# Altium PCB ЕРКФ.758725.093Д11_и1_МВВ.PcbDoc (part 3 of 3)
Units mm, origin at the board's own origin, x right, y up, seen from the top; angles counter-clockwise.
Board outline 118.8 x 103.1 mm, 2 copper layers (Top Layer, Bottom Layer), stack 1.571 mm thick; 306 components, 215 nets, 983 pads, 379 vias.
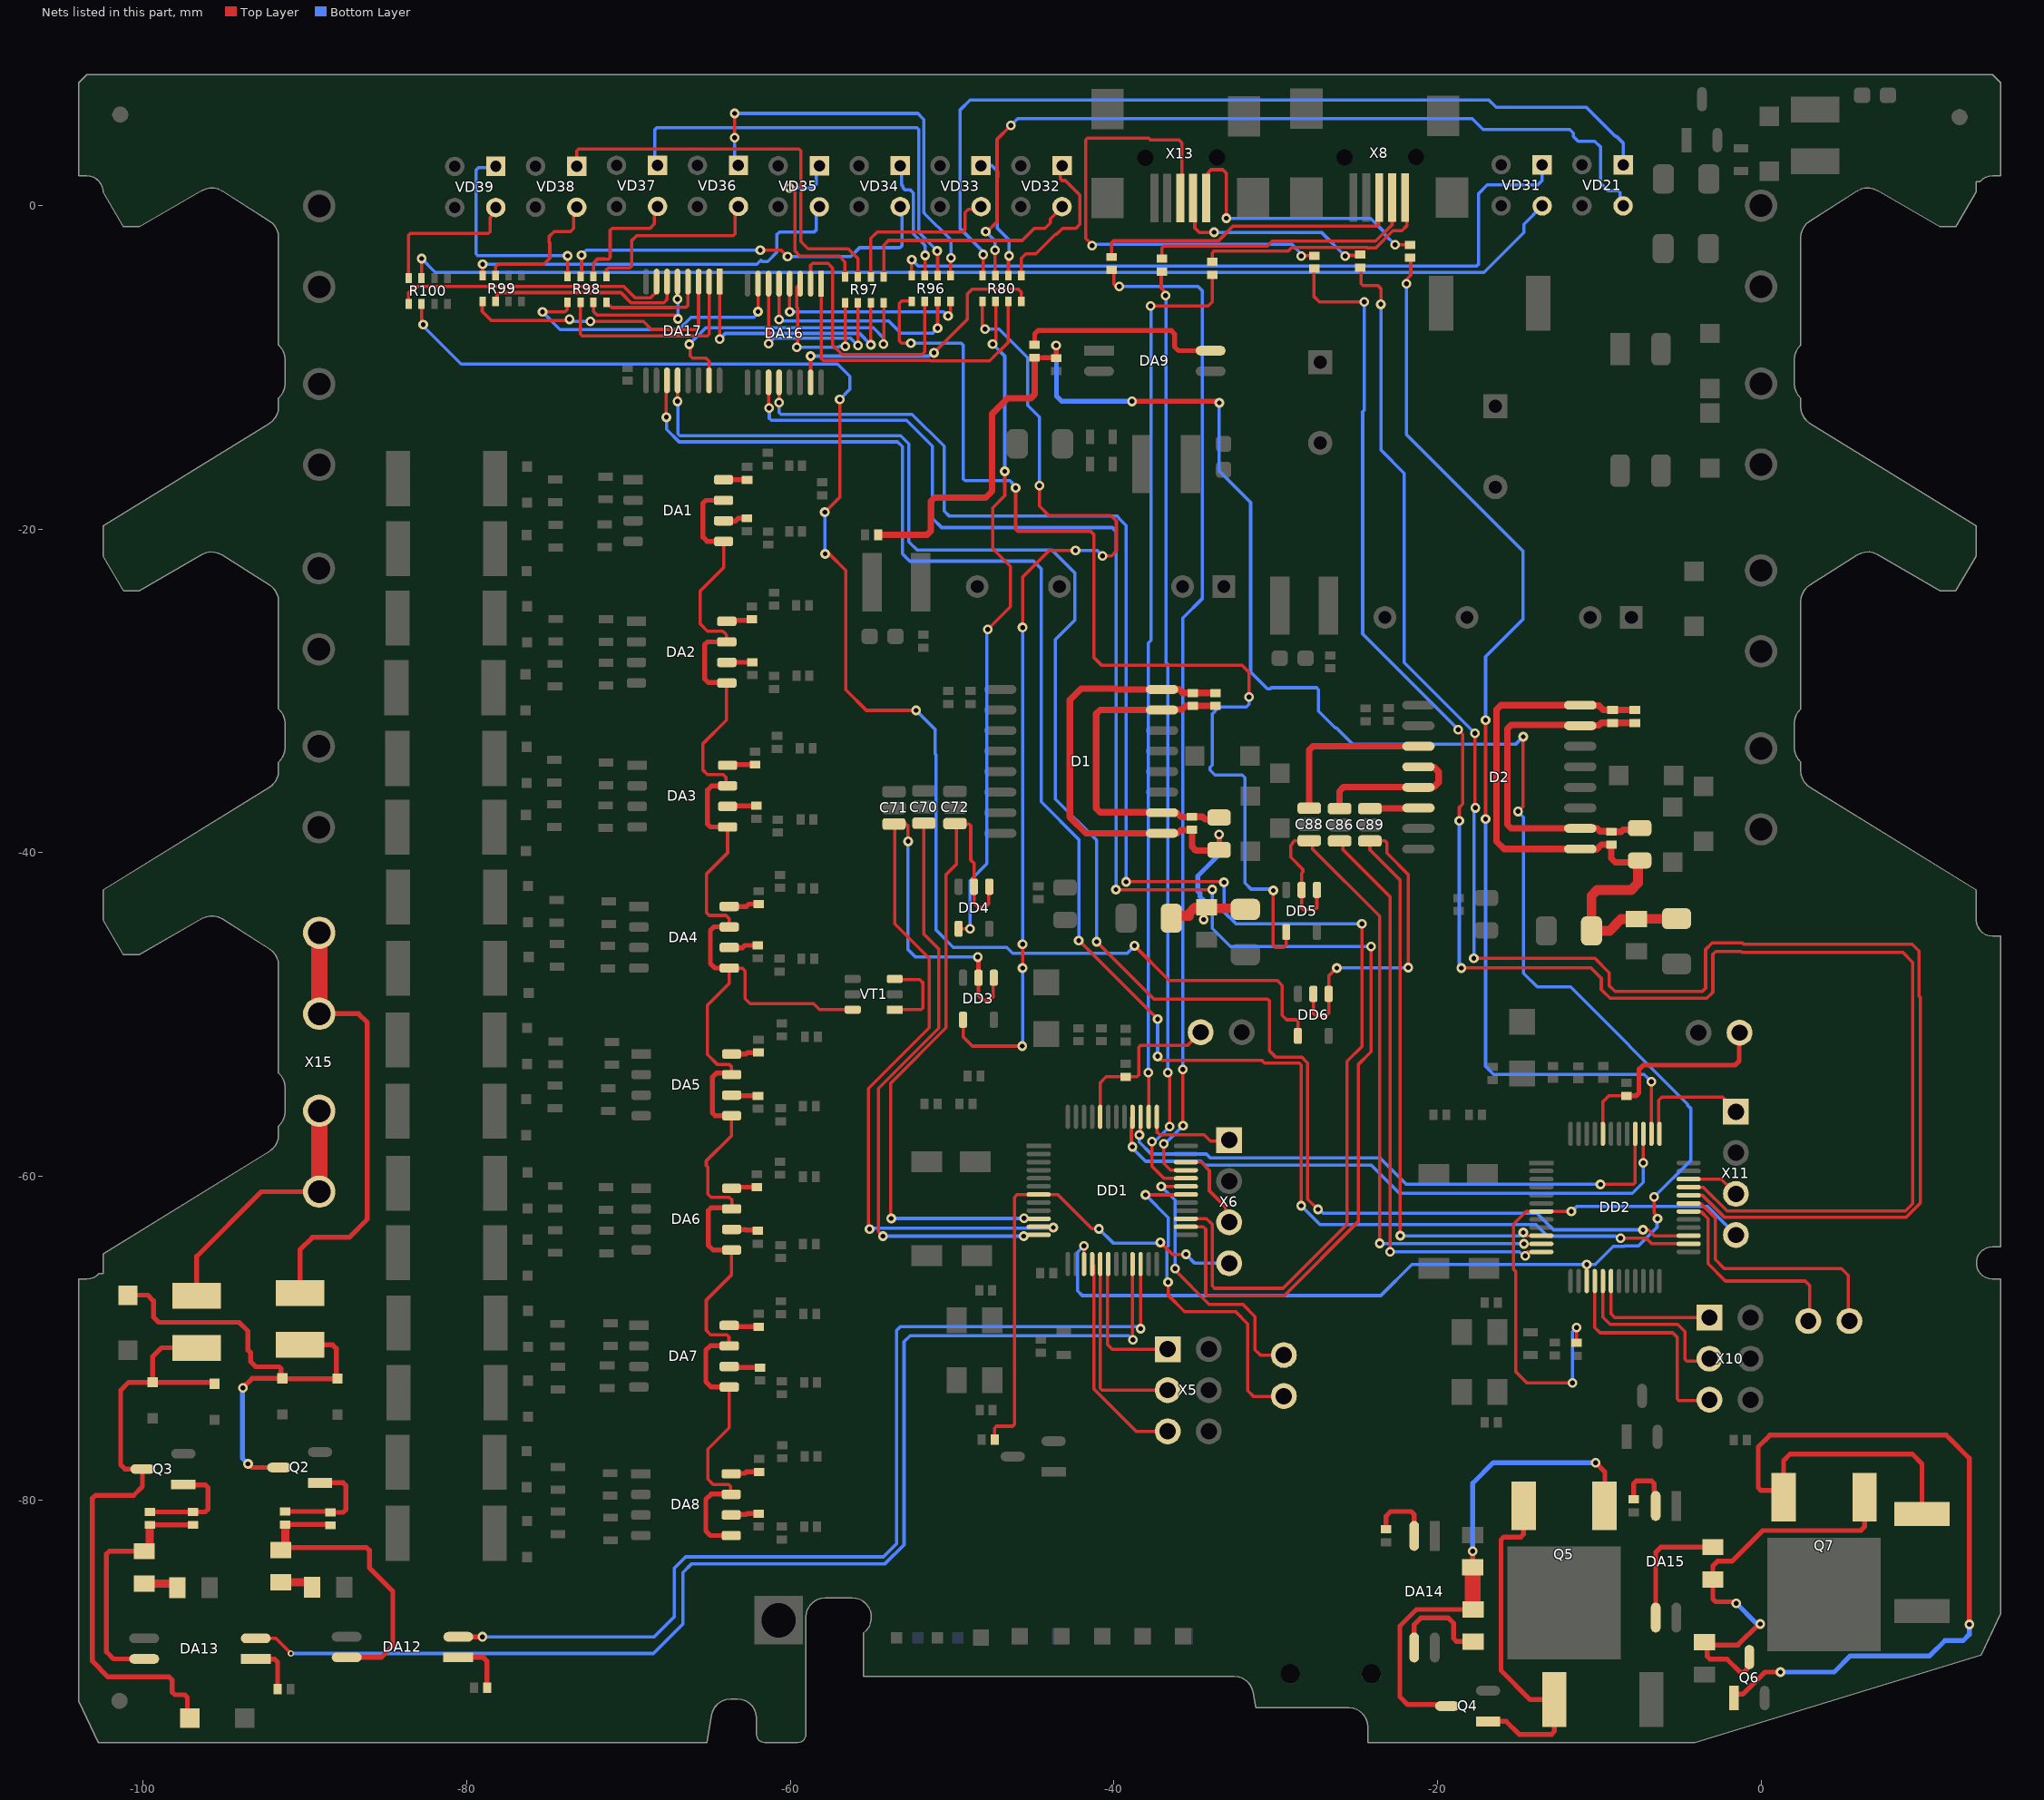
[diagram p3: the nets of this part, all layers, seen from the top]

## Via types
v1: diameter 0.6, hole 0.3, Top Layer to Bottom Layer, 361 vias
v2: diameter 0.8, hole 0.4, Top Layer to Bottom Layer, 12 vias
v3: diameter 1, hole 0.5, Top Layer to Bottom Layer, 5 vias
v4: diameter 0.4, hole 0.2, Top Layer to Bottom Layer, 1 vias

## Nets (pads, with @x,y where several pads share a name; then routed paths per layer and width w, separated by ;. In a path a pad name is that pad's centre, name@x,y a point inside that pad or via, vN(x,y) a via of type N, cw(c..) or ccw(c..) an arc to the next point about the centre after c; other vN are vias at no path point) (continued)
NetC77_2: C77.2 C80.2 C81.1 C82.2 C83.1 C84.2 D1.9 D1.16 R89.2 | length 40.3
  Top Layer w0.3: v1(-34.45,-44.125) -34.45,-43.55 -34.3,-43.4 R89.2@-34.275,-43.375 ; C83.1@-33.5,-39.825 v1(-33.5,-38.875) v1@-33.475,-38.85
  Top Layer w0.4: R89.2@-34.275,-43.375 R89.2@-34.212,-43.437 ; C84.2@-33.725,-30.125 C80.2@-35.125,-30.125 -35.75,-30.125 -35.826,-30.049 -35.975,-29.9 -37.02,-29.9 D1.16@-37.025,-29.905 -39.88,-29.905 -39.935,-29.85 -42.025,-29.85 -42.725,-30.55 -42.725,-37.8 -41.73,-38.795 D1.9@-37.025,-38.795 -37.02,-38.8 -36.075,-38.8 -35.875,-38.6 -35.2,-38.6 C81.1@-35.175,-38.575 -35.175,-39.625 -34.925,-39.875 -33.55,-39.875 C83.1@-33.5,-39.825 ; C82.2@-31.938,-43.437 C82.2@-31.875,-43.5
  Top Layer w0.6: C77.2@-36.45,-44.05 -36.299,-43.899 -35.35,-43.899 -35.35,-43.751 -34.999,-43.4 R89.2@-34.3,-43.4 ; R89.2@-34.212,-43.437 C82.2@-31.938,-43.437
  Bottom Layer w0.3: v1(-34.45,-44.125) -34.45,-42.95 -34.675,-42.725 -34.675,-42.525 -34.825,-42.375 -34.825,-41.45 -33.5,-40.125 v1(-33.5,-38.875)
NetC78_1: C78.1 DA12.4 R82.1 R86.1 | length 19.4
  Top Layer w0.3: R82.1@-91.5,-83.1 -91.35,-82.95 R82.1@-91.225,-82.825 ; R82.1@-91.225,-82.95 -86.201,-82.95 -86.025,-83.126 -86.025,-84.2 -84.575,-85.65 -84.575,-89.025 -85.285,-89.735 DA12.4@-87.425,-89.735 ; R86.1@-91.225,-81.525 -88.475,-81.525 C78.1@-88.425,-81.575
  Top Layer w0.5: R82.1@-91.225,-82.825 R86.1@-91.225,-81.525
NetC78_2: C78.2 Q2.1 R86.2 | length 7
  Top Layer w0.3: R86.2@-91.225,-80.725 -88.475,-80.725 C78.2@-88.425,-80.775 -87.651,-80.775 -87.475,-80.599 -87.475,-79.126 -87.651,-78.95 Q2.1@-89.075,-78.95
NetC79_1: C79.1 DA13.4 R81.1 R87.1 | length 15.4
  Top Layer w0.3: DA13.4@-99.95,-89.835 -101.84,-89.835 -102.275,-89.4 -102.275,-83.351 -102.099,-83.175 R81.1@-99.95,-83.175 R81.1@-99.6,-82.825 ; R87.1@-99.6,-81.55 C79.1@-96.925,-81.55
  Top Layer w0.5: R81.1@-99.6,-82.825 R87.1@-99.6,-81.55
NetC79_2: C79.2 Q3.1 R87.2 | length 6.6
  Top Layer w0.3: R87.2@-99.6,-80.75 C79.2@-96.925,-80.75 -96.176,-80.75 -96,-80.574 -96,-79.251 -96.176,-79.075 -97.5,-79.075 Q3.1@-97.525,-79.05
NetC80_1: C80.1 C81.2 C83.2 C84.1 D1.10 D1.15 | length 21
  Top Layer w0.3: C83.2@-33.6,-37.925 C83.2@-33.5,-37.825
  Top Layer w0.4: -35.525,-37.8 -35.825,-37.8 -35.925,-37.7 -35.95,-37.7 -36.1,-37.55 -37,-37.55 D1.10@-37.025,-37.525 -37.05,-37.5 -40.866,-37.5 -41.1,-37.266 -41.1,-31.409 -40.866,-31.175 D1.15@-37.025,-31.175 -36.996,-31.146 -35.796,-31.146 -35.575,-30.925 C80.1@-35.125,-30.925 C84.1@-33.725,-30.925 ; C81.2@-35.175,-37.775 -34.525,-37.775 -34.375,-37.925 C83.2@-33.6,-37.925
NetC86_2: C86.2 D2.4 D2.5 | length 9.5
  Top Layer w0.4: C86.2@-26.05,-37.275 -26.05,-36.184 -25.816,-35.95 -21.185,-35.95 D2.5@-21.175,-35.96 -21.146,-35.931 -20.206,-35.931 -19.925,-35.651 -19.925,-34.999 -20.206,-34.719 -21.146,-34.719 D2.4@-21.175,-34.69
NetC88_2: C88.2 D2.3 | length 10.4
  Top Layer w0.4: C88.2@-27.925,-37.25 -27.925,-33.654 -27.691,-33.42 D2.3@-21.175,-33.42
NetC89_2: C89.2 D2.6 | length 3
  Top Layer w0.4: C89.2@-24.175,-37.275 -24.152,-37.252 -21.198,-37.252 D2.6@-21.175,-37.23
NetC94_2: C94.2 C95.2 C96.1 C97.2 C98.1 C99.2 D2.9 D2.16 R101.2 | length 39.2
  Top Layer w0.4: C99.2@-7.813,-31.187 C99.2@-7.8,-31.175 C95.2@-9.175,-31.175 -9.75,-31.175 -10.016,-30.909 -11.146,-30.909 D2.16@-11.175,-30.88 -16.071,-30.88 -16.35,-31.159 -16.35,-39.3 -15.88,-39.77 D2.9@-11.175,-39.77 -11.146,-39.799 -10.174,-39.799 -9.875,-39.5 C96.1@-9.25,-39.5 -9.25,-40.35 -9,-40.6 C98.1@-7.625,-40.6 ; R101.2@-7.7,-44.1 R101.2@-7.688,-44.087 ; C97.2@-5.238,-44.087 C97.2@-5.225,-44.075
  Top Layer w0.6: R101.2@-7.7,-44.1 -8.649,-44.1 -9,-44.451 -9,-44.474 -9.351,-44.825 C94.2@-10.475,-44.825 -10.475,-42.651 -10.124,-42.3 -8.026,-42.3 -7.601,-41.875 -7.601,-40.624 C98.1@-7.625,-40.6 ; R101.2@-7.688,-44.087 C97.2@-5.238,-44.087
NetC95_1: C95.1 C96.2 C98.2 C99.1 D2.10 D2.15 | length 22.4
  Top Layer w0.4: C99.1@-7.8,-31.975 C95.1@-9.175,-31.975 -9.875,-31.975 -10.021,-32.121 -11.146,-32.121 D2.15@-11.175,-32.15 -11.225,-32.1 -15.441,-32.1 -15.675,-32.334 -15.675,-38.266 -15.441,-38.5 D2.10@-11.175,-38.5 -10.125,-38.5 -9.95,-38.675 -9.275,-38.675 C96.2@-9.25,-38.7 -8.65,-38.7 -8.525,-38.575 -7.6,-38.575 C98.2@-7.5,-38.475
NetDA1_5: DA1.5 DA1.7 DA2.5 DA2.7 DA3.5 DA3.7 DA4.5 DA4.7 DA5.5 DA5.7 DA6.5 DA6.7 DA7.5 DA7.7 DA8.5 DA8.7 VT1.6 | length 105.5
  Top Layer w0.2: DA1.5@-64.131,-20.755 -64.131,-22.381 -65.575,-23.825 -65.575,-25.85 -65.125,-26.3 -64.167,-26.3 -64.05,-26.417 -64.05,-26.425 -63.95,-26.525 -63.95,-26.946 DA2.7@-63.931,-26.965 ; DA2.5@-63.931,-29.505 -63.95,-29.524 -63.95,-31.8 -65.4,-33.25 -65.4,-34.9 -65.125,-35.175 -64.15,-35.175 -63.975,-35.35 -63.975,-35.791 DA3.7@-63.891,-35.875 ; DA3.5@-63.881,-38.405 -63.881,-40.006 -65.175,-41.3 -65.175,-43.725 -65.025,-43.875 -63.975,-43.875 -63.775,-44.075 -63.775,-44.554 DA4.7@-63.796,-44.575 ; DA7.7@-63.796,-70.475 -63.796,-69.929 -63.925,-69.8 -64.925,-69.8 -65.2,-69.525 -65.2,-67.65 -63.631,-66.081 DA6.5@-63.631,-64.555 ; DA7.5@-63.781,-73.03 -63.781,-75.556 -65.1,-76.875 -65.1,-78.725 -64.775,-79.05 -63.817,-79.05 -63.7,-79.167 -63.7,-79.621 -63.671,-79.65 DA8.7@-63.656,-79.665 ; DA4.5@-63.781,-47.13 -63.781,-48.081 -65.125,-49.425 -65.125,-52.475 -64.525,-53.075 -63.8,-53.075 -63.633,-53.242 -63.633,-53.713 DA5.7@-63.631,-53.715 ; DA4.5@-63.778,-47.133 -62.976,-47.133 -62.8,-47.308 -62.8,-49.025 -62.5,-49.325 -58.575,-49.325 -58.2,-49.7 VT1.6@-56.15,-49.7 ; DA6.7@-63.631,-62.015 -63.625,-62.009 -63.625,-61.45 -63.775,-61.3 -64.9,-61.3 -65.1,-61.1 -65.1,-59.425 -65.2,-59.325 -65.2,-59.05 -63.631,-57.481 DA5.5@-63.631,-56.255
  Top Layer w0.3: DA1.5@-64.131,-20.755 -64.136,-20.75 -65.15,-20.75 -65.4,-20.5 -65.4,-18.391 -65.224,-18.215 DA1.7@-64.131,-18.215 ; DA2.5@-63.931,-29.505 -63.961,-29.475 -65.075,-29.475 -65.3,-29.25 -65.3,-27.141 -65.124,-26.965 DA2.7@-63.931,-26.965 ; DA3.7@-63.891,-35.875 -64.875,-35.875 -65.125,-36.125 -65.125,-38.229 -64.949,-38.405 DA3.5@-63.881,-38.405 ; DA7.7@-63.796,-70.475 -64.95,-70.475 -65.225,-70.75 -65.225,-72.7 -64.895,-73.03 DA7.5@-63.781,-73.03 ; DA4.7@-63.796,-44.575 -64.725,-44.575 -64.95,-44.8 -64.95,-46.85 -64.67,-47.13 DA4.5@-63.781,-47.13 DA4.5@-63.778,-47.133 ; DA8.7@-63.671,-79.65 -64.9,-79.65 -65.225,-79.975 -65.225,-81.925 -64.945,-82.205 DA8.5@-63.656,-82.205 ; DA5.7@-63.633,-53.713 -63.721,-53.625 -64.575,-53.625 -64.825,-53.875 -64.825,-56.075 -64.645,-56.255 DA5.5@-63.631,-56.255 ; DA6.5@-63.631,-64.555 -64.77,-64.555 -65.075,-64.25 -65.075,-62.126 -64.899,-61.95 -63.696,-61.95 DA6.7@-63.631,-62.015
NetDA1_6: DA1.6 R19.1 | length 1.5
  Top Layer w0.3: DA1.6@-64.131,-19.485 -64.116,-19.5 -63.4,-19.5 -63.225,-19.325 R19.1@-62.7,-19.325
NetDA1_8: DA1.8 R17.1 | length 1.5
  Top Layer w0.3: DA1.8@-64.131,-16.945 -64.129,-16.947 -62.677,-16.947 R17.1@-62.675,-16.95
NetDA2_6: DA2.6 R20.1 | length 1.6
  Top Layer w0.3: DA2.6@-63.931,-28.235 -63.926,-28.23 -62.355,-28.23 R20.1@-62.35,-28.225
NetDA2_8: DA2.8 R18.1 | length 1.6
  Top Layer w0.3: DA2.8@-63.931,-25.695 -63.871,-25.635 -62.435,-25.635 R18.1@-62.375,-25.575
NetDA3_6: DA3.6 R23.1 | length 1.8
  Top Layer w0.3: DA3.6@-63.881,-37.135 -63.846,-37.1 R23.1@-62.1,-37.1
NetDA3_8: DA3.8 R21.1 | length 1.7
  Top Layer w0.3: DA3.8@-63.881,-34.595 -63.836,-34.55 R21.1@-62.175,-34.55
NetDA4_6: DA4.6 R24.1 | length 1.8
  Top Layer w0.3: DA4.6@-63.781,-45.86 -63.766,-45.875 -62.975,-45.875 -62.825,-45.725 R24.1@-62.025,-45.725
NetDA4_8: DA4.8 R22.1 | length 1.9
  Top Layer w0.3: DA4.8@-63.781,-43.32 -62.72,-43.32 -62.575,-43.175 R22.1@-61.95,-43.175
NetDA5_6: DA5.6 R51.1 | length 1.6
  Top Layer w0.3: DA5.6@-63.631,-54.985 -63.591,-55.025 R51.1@-62,-55.025
NetDA5_8: DA5.8 R49.1 | length 1.7
  Top Layer w0.3: DA5.8@-63.631,-52.445 -62.745,-52.445 -62.65,-52.35 R49.1@-61.975,-52.35
NetDA6_6: DA6.6 R52.1 | length 1.6
  Top Layer w0.3: DA6.6@-63.631,-63.285 -62.79,-63.285 -62.75,-63.325 -62.075,-63.325 R52.1@-62.025,-63.375
NetDA6_8: DA6.8 R50.1 | length 1.6
  Top Layer w0.3: DA6.8@-63.631,-60.745 -63.561,-60.675 R50.1@-62.075,-60.675
NetDA7_6: DA7.6 R55.1 | length 1.9
  Top Layer w0.3: DA7.6@-63.781,-71.76 -63.716,-71.825 R55.1@-61.875,-71.825
NetDA7_8: DA7.8 R53.1 | length 1.9
  Top Layer w0.3: DA7.8@-63.781,-69.22 -63.701,-69.3 R53.1@-61.95,-69.3
NetDA8_6: DA8.6 R56.1 | length 1.9
  Top Layer w0.3: DA8.6@-63.806,-80.91 -62.735,-80.91 -62.675,-80.85 R56.1@-61.95,-80.85
NetDA8_8: DA8.8 R54.1 | length 1.9
  Top Layer w0.3: DA8.8@-63.806,-78.37 -62.82,-78.37 -62.725,-78.275 R54.1@-61.925,-78.275
NetDA9_4: DA9.4 R72.1 | length 12.6
  Top Layer w0.3: R72.1@-44.9,-8.6 -44.9,-7.925 -44.7,-7.725 -36.45,-7.725 -36.25,-7.925 -36.25,-8.725 -36.01,-8.965 DA9.4@-34.025,-8.965
NetDA12_1: DA12.1 R79.2 | length 3.5
  Top Layer w0.3: DA12.1@-80.525,-89.735 -78.99,-89.735 -78.901,-89.824 -78.75,-89.975 R79.2@-78.75,-91.625
NetDA13_1: DA13.1 R78.2 | length 3.1
  Top Layer w0.3: DA13.1@-93.05,-89.835 -93.036,-89.849 -91.876,-89.849 -91.7,-90.025 R78.2@-91.7,-91.7
NetDA14_2: DA14.2 R83.2 | length 4.1
  Top Layer w0.3: R83.2@-23.175,-81.825 -23.175,-81 -22.9,-80.725 -21.625,-80.725 -21.435,-80.915 DA14.2@-21.435,-82.225
NetDA14_3: DA14.3 R90.2 | length 6.4
  Top Layer w0.3: DA14.3@-21.435,-89.125 -21.435,-87.71 -21.025,-87.3 -19.325,-87.3 -19,-87.625 -19,-88.574 -18.824,-88.75 -17.825,-88.75 R90.2@-17.8,-88.775
NetDA15_2: DA15.2 R92.2 | length 3.8
  Top Layer w0.3: R92.2@-7.875,-79.975 -7.875,-79.001 -7.699,-78.825 -6.776,-78.825 -6.6,-79.001 -6.6,-79.448 -6.567,-79.48 -6.567,-80.318 DA15.2@-6.51,-80.375
NetDA15_3: DA15.3 R94.2 | length 7.7
  Top Layer w0.3: DA15.3@-6.51,-87.275 -6.51,-83.235 -6.2,-82.925 R94.2@-2.975,-82.925
NetDD1_16: DD1.16 X5.3 | length 13.4
  Top Layer w0.2: DD1.16@-41.35,-65.425 -41.25,-65.525 -41.25,-73.132 -38.617,-75.765 X5.3@-36.675,-75.765
NetDD1_17: DD1.17 X5.2 | length 11.9
  Top Layer w0.2: DD1.17@-40.85,-65.425 -40.85,-73.108 -40.733,-73.225 X5.2@-36.675,-73.225
NetDD1_18: DD1.18 X5.1 | length 8.8
  Top Layer w0.2: DD1.18@-40.35,-65.425 -40.35,-66.057 -40.4,-66.107 -40.4,-70.4 -40.115,-70.685 X5.1@-36.675,-70.685
NetDD1_30: DD1.30 X7.2 | length 21.5
  Top Layer w0.2: v1(-38.05,-61.15) -35.575,-61.15 DD1.30@-35.55,-61.125 ; v1(-36.65,-66.55) -36.65,-67.35 -35.625,-68.375 -32.475,-68.375 -31.725,-69.125 -31.725,-73.25 -31.35,-73.625 -29.535,-73.625 X7.2@-29.5,-73.59
  Bottom Layer w0.2: v1(-38.05,-61.15) -36.632,-62.568 -36.632,-64.295 -36.725,-64.388 -36.725,-66.475 v1(-36.65,-66.55)
NetDD1_31: DD1.31 X7.1 | length 17.2
  Top Layer w0.2: v1(-37.075,-60.625) DD1.31@-35.55,-60.625 ; v1(-36.225,-65.7) -36.225,-65.807 -34.107,-67.925 -32.025,-67.925 -31.275,-68.675 -31.275,-70.725 -30.95,-71.05 X7.1@-29.5,-71.05
  Bottom Layer w0.2: v1(-37.075,-60.625) -36.225,-61.475 v1(-36.225,-65.7)
NetDD1_32: DD1.32 R68.1 | length 58.5
  Top Layer w0.2: v1(-37.647,-57.848) -37.647,-59.385 -36.907,-60.125 DD1.32@-35.55,-60.125 ; R68.1@-37.025,-4.075 -37.075,-4.125 -37.075,-5.1 -36.8,-5.375 v1(-36.8,-5.55) ; v1(-36.675,-53.6) -36.55,-53.725 v1(-36.55,-56.925)
  Bottom Layer w0.2: v1(-37.647,-57.848) -37.48,-57.848 -36.557,-56.925 v1(-36.55,-56.925) ; v1(-36.8,-5.55) -36.775,-5.575 -36.775,-28.25 -36.675,-28.35 v1(-36.675,-53.6)
NetDD1_33: DD1.33 R69.1 | length 63.1
  Top Layer w0.2: R69.1@-40.15,-3.975 -40,-4.125 -40,-4.867 -39.883,-4.984 -39.691,-4.984 v1(-39.675,-5) ; v1(-36.925,-58) -36.925,-59.199 -36.499,-59.625 DD1.33@-35.55,-59.625 ; v1(-35.75,-53.4) -35.75,-56.85 v1(-35.725,-56.875)
  Bottom Layer w0.2: v1(-39.675,-5) -34.8,-5 -34.525,-5.275 -34.525,-24.275 -35.75,-25.5 v1(-35.75,-53.4) ; v1(-36.925,-58) -36.85,-58 v1(-35.725,-56.875)
NetDD1_34: DD1.34 X6.3 | length 5.4
  Top Layer w0.2: DD1.34@-35.55,-59.125 -34.625,-59.125 -34.1,-59.65 -34.1,-60.9 -33.625,-61.375 -33.095,-61.905 -33.095,-62.62 X6.3@-32.875,-62.84
NetDD1_37: DD1.37 X6.1 | length 5.7
  Top Layer w0.2: DD1.37@-37.35,-56.325 -37.35,-57.25 -37.175,-57.425 -34.425,-57.425 -34.025,-57.825 -32.94,-57.825 X6.1@-32.875,-57.76
NetDD1_38: DD1.38 R70.1 | length 55.8
  Top Layer w0.2: v1(-37.869,-53.6) -37.85,-53.619 DD1.38@-37.85,-56.325 ; v1(-37.725,-6.2) -34.175,-6.2 -33.925,-5.95 R70.1@-33.925,-4.275
  Bottom Layer w0.2: v1(-37.869,-53.6) -37.869,-27.044 -37.7,-26.875 -37.7,-6.225 v1(-37.725,-6.2)
NetDD1_39: DD1.39 DD2.40 | length 36.6
  Top Layer w0.2: DD1.39@-38.35,-56.325 -38.365,-56.34 -38.365,-57.39 v1(-38.425,-57.45) v1@-38.275,-57.6 ; v1(-9.925,-60.5) -7.892,-60.5 -7.775,-60.383 DD2.40@-7.775,-57.375
  Bottom Layer w0.2: v1(-38.425,-57.45) -38.425,-57.891 -37.691,-58.625 -34.275,-58.625 -34.025,-58.875 -23.55,-58.875 -21.925,-60.5 v1(-9.925,-60.5)
NetDD1_40: DD1.40 DD2.39 | length 38
  Top Layer w0.2: v1(-38.85,-58.175) -38.925,-58.1 -38.925,-56.4 DD1.40@-38.85,-56.325 ; v1(-7.275,-59.175) -7.275,-58.751 DD2.39@-7.275,-57.375
  Bottom Layer w0.2: v1(-38.85,-58.175) -38.85,-58.229 -38.75,-58.329 -38.75,-58.375 -38.05,-59.075 -34.619,-59.075 -34.394,-59.3 -24.1,-59.3 -22.35,-61.05 -7.95,-61.05 -7.275,-60.375 v1(-7.275,-59.175)
NetDD1_44: DD1.44 R65.2 X4.2 | length 10.6
  Top Layer w0.2: DD1.44@-40.85,-56.325 -40.85,-54.225 -40.475,-53.85 R65.2@-39.275,-53.85 -38.567,-53.85 -38.45,-53.733 -38.45,-52.017 -38.333,-51.9 -35.44,-51.9 X4.2@-34.64,-51.1
NetDD2_16: DD2.16 X10.3 | length 14.1
  Top Layer w0.2: DD2.16@-10.275,-66.475 -10.275,-69.35 -9.95,-69.675 -5.45,-69.675 -5.175,-69.95 -5.175,-73.758 -5.058,-73.875 -3.25,-73.875 X10.3@-3.19,-73.815
NetDD2_17: DD2.17 X10.2 | length 11
  Top Layer w0.2: DD2.17@-9.775,-66.475 -9.775,-68.7 -9.325,-69.15 -5.15,-69.15 -4.7,-69.6 -4.7,-71.308 -4.583,-71.425 -3.34,-71.425 X10.2@-3.19,-71.275
NetDD2_18: DD2.18 X10.1 | length 8.2
  Top Layer w0.2: DD2.18@-9.275,-66.475 -9.275,-68.5 -9.04,-68.735 X10.1@-3.19,-68.735
NetDD2_30: DD2.30 X12.2 | length 13.2
  Top Layer w0.2: DD2.30@-4.475,-62.175 -4.46,-62.19 -3.71,-62.19 -3.275,-62.625 -3.275,-65.4 -2.2,-66.475 2.725,-66.475 3,-66.75 3,-68.875 X12.2@2.925,-68.95
NetDD2_31: DD2.31 X12.1 | length 16.1
  Top Layer w0.2: DD2.31@-4.475,-61.675 -4.46,-61.69 -3.71,-61.69 -2.825,-62.575 -2.825,-65.15 -2.275,-65.7 4.975,-65.7 5.4,-66.125 5.4,-68.885 X12.1@5.465,-68.95
NetDD2_32: DD2.32 R75.1 | length 109
  Top Layer w0.2: R75.1@-24.775,-3.825 -24.725,-3.875 -24.725,-4.833 -24.608,-4.95 -23.675,-4.95 -23.5,-5.125 v1(-23.5,-6.1) ; v1(-17.75,-46.525) -10.268,-46.525 -9.375,-47.418 -9.375,-48.225 -9.025,-48.575 -3.625,-48.575 -3.425,-48.375 -3.425,-45.975 -3.025,-45.575 -1.15,-45.575 -1.075,-45.65 9.35,-45.65 9.775,-46.075 9.775,-48.875 9.85,-48.95 9.85,-61.65 8.975,-62.525 -2.275,-62.525 -3.625,-61.175 DD2.32@-4.475,-61.175 ; v1(-17.688,-32.612) -17.688,-37.187 v1(-17.65,-37.225)
  Bottom Layer w0.2: v1(-23.5,-6.1) -23.5,-15.1 -22.05,-16.55 -22.05,-28.25 v1(-17.688,-32.612) v1@-17.688,-32.787 ; v1(-17.75,-46.525) -17.75,-37.325 v1(-17.65,-37.225)
NetDD2_33: DD2.33 R76.1 | length 110.3
  Top Layer w0.2: R76.1@-27.65,-4.05 -27.65,-5.6 -27.3,-5.95 v1(-24.525,-5.95) ; v1(-18.725,-32.394) -18.45,-32.669 -18.45,-37 -18.65,-37.2 v1(-18.65,-38.025) ; v1(-18.525,-47.125) -10.5,-47.125 -9.875,-47.75 -9.875,-48.458 -9.333,-49 -3.35,-49 -2.975,-48.625 -2.975,-46.275 -2.8,-46.1 -1.225,-46.1 -1.175,-46.15 8.75,-46.15 9.375,-46.775 9.375,-61.7 8.925,-62.15 -2.1,-62.15 -3.575,-60.675 DD2.33@-4.475,-60.675
  Bottom Layer w0.2: v1@-24.475,-5.9 v1(-24.525,-5.95) -24.525,-12.65 -24.625,-12.75 -24.625,-26.475 -18.725,-32.375 v1(-18.725,-32.394) ; v1(-18.65,-38.025) -18.65,-47 v1(-18.525,-47.125)
NetDD2_34: DD2.34 X11.3 | length 3.3
  Top Layer w0.2: DD2.34@-4.475,-60.175 -2.465,-60.175 X11.3@-1.55,-61.09
NetDD2_37: DD2.37 X11.1 | length 7.4
  Top Layer w0.2: DD2.37@-6.275,-57.375 -6.275,-56.743 -6.325,-56.693 -6.325,-55.3 -6.135,-55.11 -2.367,-55.11 -2.25,-55.227 -2.25,-55.31 X11.1@-1.55,-56.01
NetDD2_38: DD2.38 R77.1 | length 67.9
  Top Layer w0.2: v1(-21.925,-4.825) -21.896,-4.796 -21.896,-4.546 -21.65,-4.3 -21.65,-3.275 R77.1@-21.7,-3.225 ; v1(-17.025,-37.925) v1(-17.025,-31.8) ; DD2.38@-6.775,-57.375 v1(-6.775,-54.15)
  Bottom Layer w0.2: v1(-21.925,-4.825) -21.925,-14.15 -14.7,-21.375 -14.7,-25.55 -17.025,-27.875 v1(-17.025,-31.8) ; v1(-17.025,-37.925) -17.025,-53.2 -16.525,-53.7 -7.225,-53.7 v1(-6.775,-54.15)
NetDD2_44: DD2.44 R74.2 X9.2 | length 14.1
  Top Layer w0.2: DD2.44@-9.775,-57.375 -9.775,-55.4 -9.4,-55.025 R74.2@-8.325,-55.025
  Top Layer w0.3: R74.2@-8.325,-55.025 -7.726,-55.025 -7.55,-54.849 -7.55,-53.375 -7.525,-53.375 -7.275,-53.125 -1.6,-53.125 -1.35,-52.875 -1.35,-51.15 X9.2@-1.325,-51.125
NetDD3_4: DD3.4 R80.1 | length 62.3
  Top Layer w0.2: DD3.4@-49.325,-50.325 -49.325,-51.375 -48.75,-51.95 v1(-45.675,-51.95) ; R80.1@-48.125,-5.925 -48.125,-7.421 -47.975,-7.571 v1(-47.975,-7.625) ; v1(-45.65,-47.125) v1(-45.65,-45.65) ; v1(-45.65,-26.075) -45.65,-22.975 -44,-21.325 v1(-42.375,-21.325) ; v1(-44.6,-17.3) -44.6,-18.575 -44.025,-19.15 -40.2,-19.15 -39.85,-19.5 -39.85,-21.35 -40.15,-21.65 v1(-40.7,-21.65)
  Bottom Layer w0.2: v1(-47.975,-7.625) -47.1,-7.625 -45.325,-9.4 -45.325,-12.35 -44.6,-13.075 v1(-44.6,-17.3) ; v1(-45.675,-51.95) -45.65,-51.925 v1(-45.65,-47.125) ; v1(-45.65,-45.65) v1(-45.65,-26.075) ; v1(-42.375,-21.325) -41.025,-21.325 v1(-40.7,-21.65)
NetDD4_4: DD4.4 R80.2 | length 41.8
  Top Layer w0.2: DD4.4@-49.6,-44.7 v1(-48.9,-44.7) ; v1(-47.8,-26.2) -46.4,-24.8 -46.4,-22.3 -47.5,-21.2 -47.5,-18.675 -46.75,-17.925 v1(-46.75,-16.425) ; v1(-47.5,-8.55) -47.3,-8.35 -47.3,-5.95 R80.2@-47.325,-5.925
  Bottom Layer w0.2: v1(-48.9,-44.7) -48.9,-41.725 -47.85,-40.675 -47.85,-26.25 v1(-47.8,-26.2) v1@-47.75,-26.15 ; v1(-47.5,-8.55) -46.75,-9.3 v1(-46.75,-16.425)
NetDD5_4: DD5.4 R96.1 | length 68
  Top Layer w0.2: v1(-52.55,-8.5) -53.125,-8.5 -53.275,-8.35 -53.275,-6.05 -53.125,-5.9 -52.525,-5.9 R96.1@-52.5,-5.925 ; v1(-46.075,-17.45) -46.075,-20.008 -45.958,-20.125 -41.45,-20.125 -41.25,-20.325 -41.25,-27.925 -40.775,-28.4 -32.1,-28.4 -31.65,-28.85 v1(-31.65,-30.375) ; v1(-30.15,-42.332) -30.15,-45.733 -30.033,-45.85 -29.525,-45.85 -29.35,-45.675 DD5.4@-29.35,-44.9
  Bottom Layer w0.2: v1(-52.55,-8.5) -49.442,-8.5 -49.325,-8.617 -49.325,-16.883 -49.208,-17 -46.417,-17 -46.3,-17.117 -46.3,-17.171 -46.075,-17.396 v1(-46.075,-17.45) ; v1(-31.65,-30.375) -31.65,-30.825 -31.825,-31 -33.5,-31 -33.925,-31.425 -33.925,-34.575 -34.067,-34.717 -34.067,-34.883 -33.75,-35.2 -32.066,-35.2 -31.9,-35.366 -31.9,-41.875 -31.525,-42.25 -30.182,-42.25 v1@-30.175,-42.257
NetDD6_4: DD6.4 R100.2 | length 95.6
  Top Layer w0.2: R100.2@-82.8,-6.075 -82.8,-7.196 -82.7,-7.296 v1(-82.7,-7.35) ; v1(-57.875,-18.95) -56.95,-18.025 v1(-56.95,-11.975) ; v1(-57.85,-21.525) -57.6,-21.525 -56.575,-22.55 -56.575,-29.925 -55.3,-31.2 v1(-52.225,-31.2) ; v1(-38.725,-45.75) -36.575,-47.9 -29.9,-47.9 -29.6,-48.2 -29.6,-50.05 -29.325,-50.325 -28.75,-50.325 -28.625,-50.45 DD6.4@-28.625,-51.325
  Bottom Layer w0.2: v1@-82.6,-7.55 -80.35,-9.8 -57.076,-9.8 -56.325,-10.551 -56.325,-11.35 v1(-56.95,-11.975) ; v1(-57.875,-18.95) -57.875,-21.5 v1(-57.85,-21.525) ; v1(-52.225,-31.2) -51.05,-32.375 -51.05,-33.9 -51,-33.95 -51,-44.775 -49.925,-45.85 -46.625,-45.85 -46.25,-46.225 -39.175,-46.225 -38.725,-45.775 v1(-38.725,-45.75)